# Altium PCB UltraZOhm_CarrierBoard.PcbDoc (part 10 of 12) (continued)
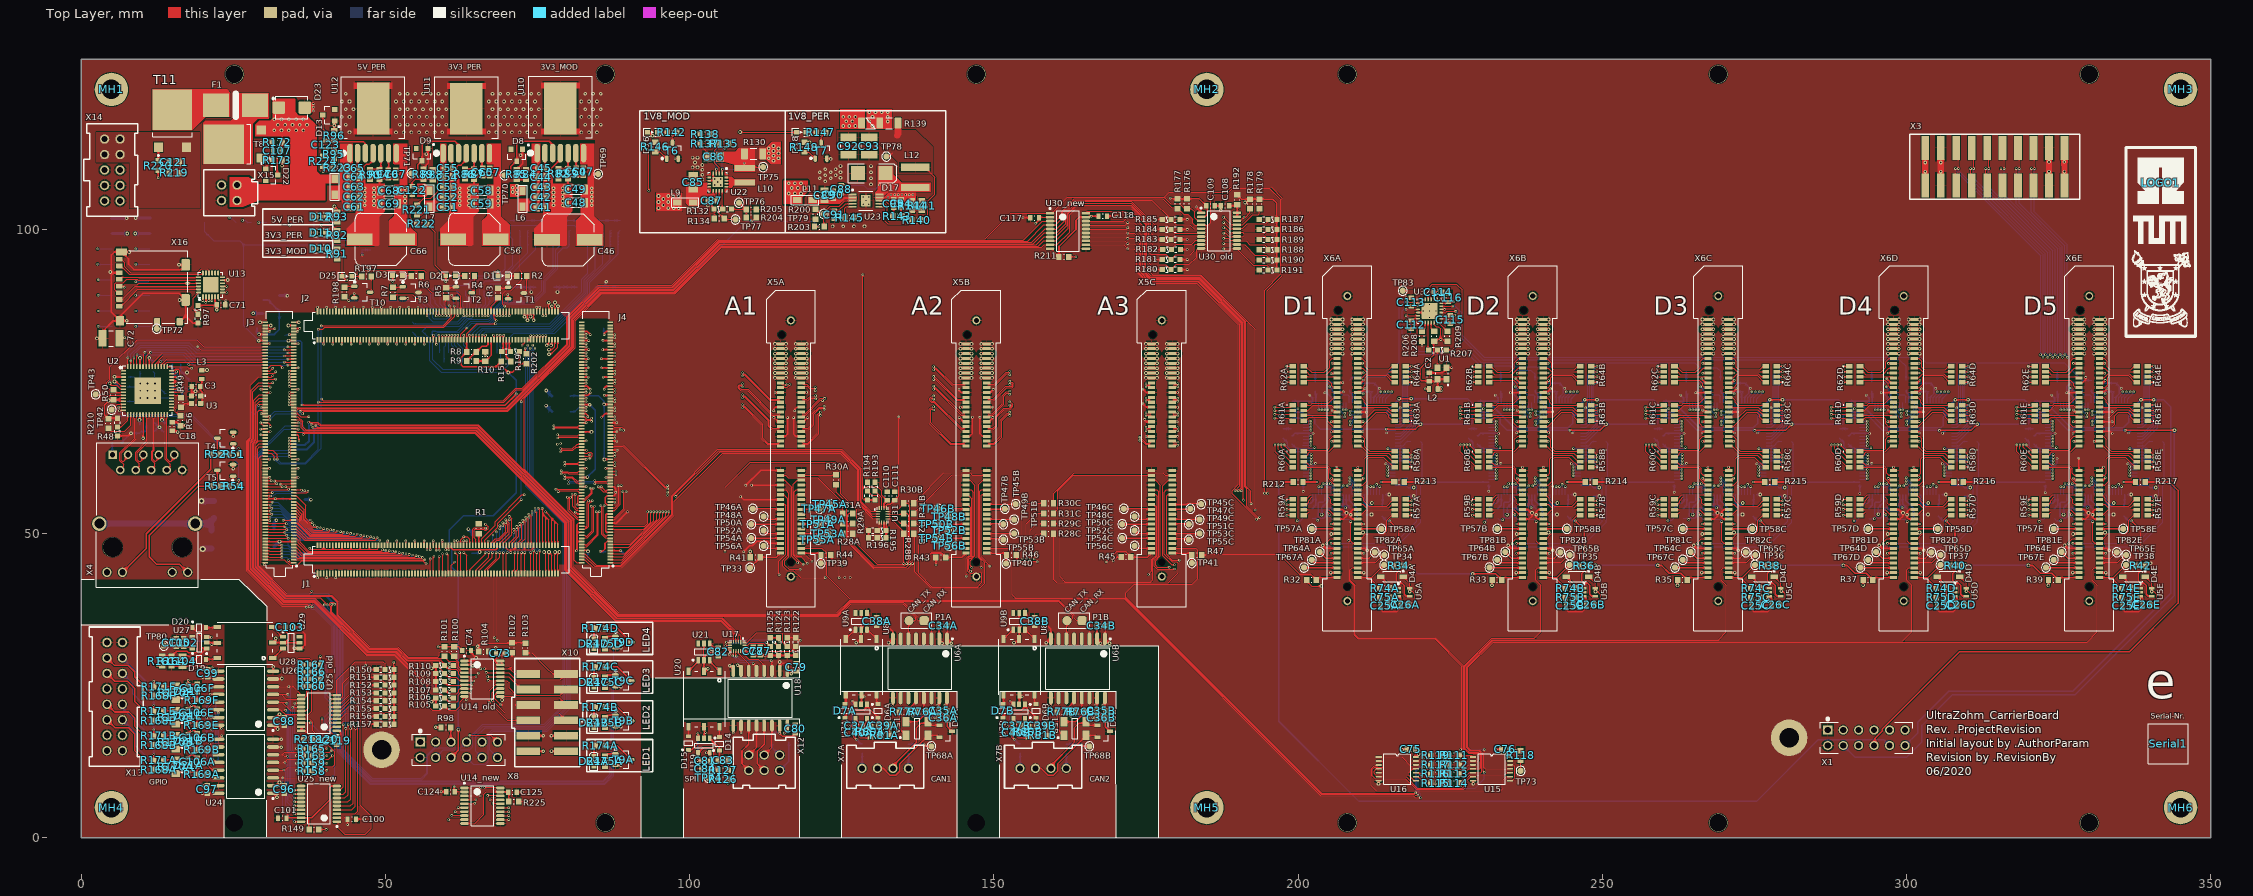
[diagram p0: Top Layer view]
## Nets (pads, with @x,y where several pads share a name; then routed paths per layer and width w, separated by ;. In a path a pad name is that pad's centre, name@x,y a point inside that pad or via, vN(x,y) a via of type N, cw(c..) or ccw(c..) an arc to the next point about the centre after c; other vN are vias at no path point) (continued)
  Bottom Layer w0.1: U4C.55@276.917,67.988 277.798,67.988 278.71,68.9 278.71,75.05 279.46,75.8 v2(279.61,75.8)
NetR64C_3: R64C.3 U4C.54 | length 10.9
  Top Layer w0.1: R64C.3@278.66,76.592 278.668,76.6 v2(279.61,76.6)
  Bottom Layer w0.1: U4C.54@276.917,68.488 277.848,68.488 278.41,69.05 278.41,75.65 279.36,76.6 v2(279.61,76.6)
NetR64C_4: R64C.4 U4C.53 | length 11.2
  Top Layer w0.1: R64C.4@278.66,77.492 278.668,77.5 v2(279.61,77.5)
  Bottom Layer w0.1: U4C.53@276.917,68.988 277.898,68.988 278.11,69.2 278.11,76 v2(279.61,77.5)
NetR64D_1: R64D.1 U4D.56 | length 10
  Top Layer w0.1: R64D.1@309.14,74.892 309.148,74.9 v2(310.09,74.9)
  Bottom Layer w0.1: U4D.56@307.397,67.488 308.278,67.488 309.49,68.7 309.49,74.3 v2(310.09,74.9)
NetR64D_2: R64D.2 U4D.55 | length 10.5
  Top Layer w0.1: R64D.2@309.14,75.792 309.148,75.8 v2(310.09,75.8)
  Bottom Layer w0.1: U4D.55@307.397,67.988 308.278,67.988 309.19,68.9 309.19,75.05 309.94,75.8 v2(310.09,75.8)
NetR64D_3: R64D.3 U4D.54 | length 10.9
  Top Layer w0.1: R64D.3@309.14,76.592 309.148,76.6 v2(310.09,76.6)
  Bottom Layer w0.1: U4D.54@307.397,68.488 308.328,68.488 308.89,69.05 308.89,75.65 309.84,76.6 v2(310.09,76.6)
NetR64D_4: R64D.4 U4D.53 | length 11.2
  Top Layer w0.1: R64D.4@309.14,77.492 309.148,77.5 v2(310.09,77.5)
  Bottom Layer w0.1: U4D.53@307.397,68.988 308.378,68.988 308.59,69.2 308.59,76 v2(310.09,77.5)
NetR64E_1: R64E.1 U4E.56 | length 10
  Top Layer w0.1: R64E.1@339.62,74.892 339.628,74.9 v2(340.57,74.9)
  Bottom Layer w0.1: U4E.56@337.877,67.488 338.758,67.488 339.97,68.7 339.97,74.3 v2(340.57,74.9)
NetR64E_2: R64E.2 U4E.55 | length 10.5
  Top Layer w0.1: R64E.2@339.62,75.792 339.628,75.8 v2(340.57,75.8)
  Bottom Layer w0.1: U4E.55@337.877,67.988 338.758,67.988 339.67,68.9 339.67,75.05 340.42,75.8 v2(340.57,75.8)
NetR64E_3: R64E.3 U4E.54 | length 10.9
  Top Layer w0.1: R64E.3@339.62,76.592 339.628,76.6 v2(340.57,76.6)
  Bottom Layer w0.1: U4E.54@337.877,68.488 338.808,68.488 339.37,69.05 339.37,75.65 340.32,76.6 v2(340.57,76.6)
NetR64E_4: R64E.4 U4E.53 | length 11.2
  Top Layer w0.1: R64E.4@339.62,77.492 339.628,77.5 v2(340.57,77.5)
  Bottom Layer w0.1: U4E.53@337.877,68.988 338.858,68.988 339.07,69.2 339.07,76 v2(340.57,77.5)
NetR65A_1: R65A.1 U4A.100 | length 3.2
  Bottom Layer w0.254: R65A.1@200.787,54.12 201.667,55 202.1,55 202.407,55.307 U4A.100@202.407,56.438
NetR65B_1: R65B.1 U4B.100 | length 3.2
  Bottom Layer w0.254: R65B.1@231.267,54.12 232.147,55 232.58,55 232.887,55.307 U4B.100@232.887,56.438
NetR65C_1: R65C.1 U4C.100 | length 3.2
  Bottom Layer w0.254: R65C.1@261.747,54.12 262.627,55 263.06,55 263.367,55.307 U4C.100@263.367,56.438
NetR65D_1: R65D.1 U4D.100 | length 3.2
  Bottom Layer w0.254: R65D.1@292.227,54.12 293.107,55 293.54,55 293.847,55.307 U4D.100@293.847,56.438
NetR65E_1: R65E.1 U4E.100 | length 3.2
  Bottom Layer w0.254: R65E.1@322.707,54.12 323.587,55 324.02,55 324.327,55.307 U4E.100@324.327,56.438
NetR66A_1: R66A.1 U4A.99 | length 2.6
  Bottom Layer w0.254: R66A.1@202.311,54.12 202.907,54.716 U4A.99@202.907,56.438
NetR66B_1: R66B.1 U4B.99 | length 2.6
  Bottom Layer w0.254: R66B.1@232.791,54.12 233.387,54.716 U4B.99@233.387,56.438
NetR66C_1: R66C.1 U4C.99 | length 2.6
  Bottom Layer w0.254: R66C.1@263.271,54.12 263.867,54.716 U4C.99@263.867,56.438
NetR66D_1: R66D.1 U4D.99 | length 2.6
  Bottom Layer w0.254: R66D.1@293.751,54.12 294.347,54.716 U4D.99@294.347,56.438
NetR66E_1: R66E.1 U4E.99 | length 2.6
  Bottom Layer w0.254: R66E.1@324.231,54.12 324.827,54.716 U4E.99@324.827,56.438
NetR67A_1: R67A.1 TP59A.1 | length 1.3
  Bottom Layer w0.1: TP59A.1@198.869,67.265 TP59A.1@198.895,67.292
  Bottom Layer w0.254: R67A.1@197.568,67.265 TP59A.1@198.869,67.265
NetR67A_2: R67A.2 U4A.12 | length 4.6
  Bottom Layer w0.254: R67A.2@197.568,65.665 198.2,65.033 198.2,64.3 199.012,63.488 U4A.12@200.857,63.488
NetR67B_1: R67B.1 TP59B.1 | length 1.3
  Bottom Layer w0.1: TP59B.1@229.349,67.265 TP59B.1@229.375,67.292
  Bottom Layer w0.254: R67B.1@228.048,67.265 TP59B.1@229.349,67.265
NetR67B_2: R67B.2 U4B.12 | length 4.6
  Bottom Layer w0.254: R67B.2@228.048,65.665 228.68,65.033 228.68,64.3 229.492,63.488 U4B.12@231.337,63.488
NetR67C_1: R67C.1 TP59C.1 | length 1.3
  Bottom Layer w0.1: TP59C.1@259.829,67.265 TP59C.1@259.855,67.292
  Bottom Layer w0.254: R67C.1@258.528,67.265 TP59C.1@259.829,67.265
NetR67C_2: R67C.2 U4C.12 | length 4.6
  Bottom Layer w0.254: R67C.2@258.528,65.665 259.16,65.033 259.16,64.3 259.972,63.488 U4C.12@261.817,63.488
NetR67D_1: R67D.1 TP59D.1 | length 1.3
  Bottom Layer w0.1: TP59D.1@290.309,67.265 TP59D.1@290.335,67.292
  Bottom Layer w0.254: R67D.1@289.008,67.265 TP59D.1@290.309,67.265
NetR67D_2: R67D.2 U4D.12 | length 4.6
  Bottom Layer w0.254: R67D.2@289.008,65.665 289.64,65.033 289.64,64.3 290.452,63.488 U4D.12@292.297,63.488
NetR67E_1: R67E.1 TP59E.1 | length 1.3
  Bottom Layer w0.1: TP59E.1@320.789,67.265 TP59E.1@320.815,67.292
  Bottom Layer w0.254: R67E.1@319.488,67.265 TP59E.1@320.789,67.265
NetR67E_2: R67E.2 U4E.12 | length 4.6
  Bottom Layer w0.254: R67E.2@319.488,65.665 320.12,65.033 320.12,64.3 320.932,63.488 U4E.12@322.777,63.488
NetR68A_1: R68A.1 TP60A.1 | length 1.7
  Bottom Layer w0.254: R68A.1@197.331,68.814 197.345,68.827 TP60A.1@197.345,70.544
NetR68A_2: R68A.2 U4A.23 | length 2
  Bottom Layer w0.254: R68A.2@198.931,68.814 199.105,68.988 U4A.23@200.857,68.988
NetR68B_1: R68B.1 TP60B.1 | length 1.7
  Bottom Layer w0.254: R68B.1@227.811,68.814 227.825,68.827 TP60B.1@227.825,70.544
NetR68B_2: R68B.2 U4B.23 | length 2
  Bottom Layer w0.254: R68B.2@229.411,68.814 229.585,68.988 U4B.23@231.337,68.988
NetR68C_1: R68C.1 TP60C.1 | length 1.7
  Bottom Layer w0.254: R68C.1@258.291,68.814 258.305,68.827 TP60C.1@258.305,70.544
NetR68C_2: R68C.2 U4C.23 | length 2
  Bottom Layer w0.254: R68C.2@259.891,68.814 260.065,68.988 U4C.23@261.817,68.988
NetR68D_1: R68D.1 TP60D.1 | length 1.7
  Bottom Layer w0.254: R68D.1@288.771,68.814 288.785,68.827 TP60D.1@288.785,70.544
NetR68D_2: R68D.2 U4D.23 | length 2
  Bottom Layer w0.254: R68D.2@290.371,68.814 290.545,68.988 U4D.23@292.297,68.988
NetR68E_1: R68E.1 TP60E.1 | length 1.7
  Bottom Layer w0.254: R68E.1@319.251,68.814 319.265,68.827 TP60E.1@319.265,70.544
NetR68E_2: R68E.2 U4E.23 | length 2
  Bottom Layer w0.254: R68E.2@320.851,68.814 321.025,68.988 U4E.23@322.777,68.988
NetR69A_1: R69A.1 TP61A.1 | length 1.6
  Bottom Layer w0.254: R69A.1@202.819,75.002 TP61A.1@202.819,76.596
NetR69A_2: R69A.2 U4A.27 | length 1.9
  Bottom Layer w0.254: R69A.2@202.819,73.402 202.819,73.081 202.9,73 202.9,71.544 U4A.27@202.907,71.538
NetR69B_1: R69B.1 TP61B.1 | length 1.6
  Bottom Layer w0.254: R69B.1@233.299,75.002 TP61B.1@233.299,76.596
NetR69B_2: R69B.2 U4B.27 | length 1.9
  Bottom Layer w0.254: R69B.2@233.299,73.402 233.299,73.081 233.38,73 233.38,71.544 U4B.27@233.387,71.538
NetR69C_1: R69C.1 TP61C.1 | length 1.6
  Bottom Layer w0.254: R69C.1@263.779,75.002 TP61C.1@263.779,76.596
NetR69C_2: R69C.2 U4C.27 | length 1.9
  Bottom Layer w0.254: R69C.2@263.779,73.402 263.779,73.081 263.86,73 263.86,71.544 U4C.27@263.867,71.538
NetR69D_1: R69D.1 TP61D.1 | length 1.6
  Bottom Layer w0.254: R69D.1@294.259,75.002 TP61D.1@294.259,76.596
NetR69D_2: R69D.2 U4D.27 | length 1.9
  Bottom Layer w0.254: R69D.2@294.259,73.402 294.259,73.081 294.34,73 294.34,71.544 U4D.27@294.347,71.538
NetR69E_1: R69E.1 TP61E.1 | length 1.6
  Bottom Layer w0.254: R69E.1@324.739,75.002 TP61E.1@324.739,76.596
NetR69E_2: R69E.2 U4E.27 | length 1.9
  Bottom Layer w0.254: R69E.2@324.739,73.402 324.739,73.081 324.82,73 324.82,71.544 U4E.27@324.827,71.538
NetR70A_2: R70A.2 U4A.62 | length 2.8
  Bottom Layer w0.1: U4A.62@215.957,64.488 217.238,64.488 217.908,65.158 R70A.2@218.475,65.158
NetR70B_2: R70B.2 U4B.62 | length 2.8
  Bottom Layer w0.1: U4B.62@246.437,64.488 247.718,64.488 248.388,65.158 R70B.2@248.955,65.158
NetR70C_2: R70C.2 U4C.62 | length 2.8
  Bottom Layer w0.1: U4C.62@276.917,64.488 278.198,64.488 278.868,65.158 R70C.2@279.435,65.158
NetR70D_2: R70D.2 U4D.62 | length 2.8
  Bottom Layer w0.1: U4D.62@307.397,64.488 308.678,64.488 309.348,65.158 R70D.2@309.915,65.158
NetR70E_2: R70E.2 U4E.62 | length 2.8
  Bottom Layer w0.1: U4E.62@337.877,64.488 339.158,64.488 339.828,65.157 R70E.2@340.395,65.158
NetR71A_2: R71A.2 U4A.39 | length 2.3
  Bottom Layer w0.254: R71A.2@208.453,73.602 208.453,73.347 208.907,72.893 U4A.39@208.907,71.538
NetR71B_2: R71B.2 U4B.39 | length 2.3
  Bottom Layer w0.254: R71B.2@238.933,73.602 238.933,73.347 239.387,72.893 U4B.39@239.387,71.538
NetR71C_2: R71C.2 U4C.39 | length 2.3
  Bottom Layer w0.254: R71C.2@269.413,73.602 269.413,73.347 269.867,72.893 U4C.39@269.867,71.538
NetR71D_2: R71D.2 U4D.39 | length 2.3
  Bottom Layer w0.254: R71D.2@299.893,73.602 299.893,73.347 300.347,72.893 U4D.39@300.347,71.538
NetR71E_2: R71E.2 U4E.39 | length 2.3
  Bottom Layer w0.254: R71E.2@330.373,73.602 330.373,73.347 330.827,72.893 U4E.39@330.827,71.538
NetR72A_2: R72A.2 U4A.73 | length 2
  Bottom Layer w0.1: U4A.73@215.957,58.988 R72A.2@217.755,58.988
  Bottom Layer w0.254: R72A.2@217.755,58.988 R72A.2@217.929,59.162
NetR72B_2: R72B.2 U4B.73 | length 2
  Bottom Layer w0.1: U4B.73@246.437,58.988 R72B.2@248.235,58.988
  Bottom Layer w0.254: R72B.2@248.235,58.988 R72B.2@248.409,59.162
NetR72C_2: R72C.2 U4C.73 | length 2
  Bottom Layer w0.1: U4C.73@276.917,58.988 R72C.2@278.715,58.988
  Bottom Layer w0.254: R72C.2@278.715,58.988 R72C.2@278.889,59.162
NetR72D_2: R72D.2 U4D.73 | length 2
  Bottom Layer w0.1: U4D.73@307.397,58.988 R72D.2@309.195,58.988
  Bottom Layer w0.254: R72D.2@309.195,58.988 R72D.2@309.369,59.162
NetR72E_2: R72E.2 U4E.73 | length 2
  Bottom Layer w0.1: U4E.73@337.877,58.988 R72E.2@339.675,58.988
  Bottom Layer w0.254: R72E.2@339.675,58.988 R72E.2@339.849,59.162
NetR73A_2: R73A.2 U4A.77 | length 2
  Bottom Layer w0.254: R73A.2@213.791,54.47 213.791,54.891 213.9,55 213.9,56.431 U4A.77@213.907,56.438
NetR73B_2: R73B.2 U4B.77 | length 2
  Bottom Layer w0.254: R73B.2@244.271,54.47 244.271,54.891 244.38,55 244.38,56.431 U4B.77@244.387,56.438
NetR73C_2: R73C.2 U4C.77 | length 2
  Bottom Layer w0.254: R73C.2@274.751,54.47 274.751,54.891 274.86,55 274.86,56.431 U4C.77@274.867,56.438
NetR73D_2: R73D.2 U4D.77 | length 2
  Bottom Layer w0.254: R73D.2@305.231,54.47 305.231,54.891 305.34,55 305.34,56.431 U4D.77@305.347,56.438
NetR73E_2: R73E.2 U4E.77 | length 2
  Bottom Layer w0.254: R73E.2@335.711,54.47 335.711,54.891 335.82,55 335.82,56.431 U4E.77@335.827,56.438
NetR78A_2: R78A.2 X7A.1 | length 2.4
  Bottom Layer w0.254: X7A.1@135.953,11.443 135.975,11.464 R78A.2@135.975,13.837
NetR78B_2: R78B.2 X7B.1 | length 2.4
  Bottom Layer w0.254: X7B.1@161.906,11.443 161.927,11.465 R78B.2@161.927,13.837
NetR79A_2: R79A.2 X7A.4 | length 2.5
  Bottom Layer w0.254: X7A.4@128.333,11.443 128.355,11.464 R79A.2@128.355,13.887
NetR79B_2: R79B.2 X7B.4 | length 2.5
  Bottom Layer w0.254: X7B.4@154.286,11.443 154.307,11.465 R79B.2@154.307,13.888
NetR80A_1: R80A.1 R81A.2 U7A.4 | length 6.8
  Top Layer w0.254: U7A.4@127.252,19.558 127.787,19.023 127.787,16.688 128.041,16.434 129.47,16.434 R80A.1@129.707,16.671 129.897,16.861 R81A.2@131.19,16.861
NetR80B_1: R80B.1 R81B.2 U7B.4 | length 6.8
  Top Layer w0.254: U7B.4@153.205,19.558 153.74,19.023 153.74,16.688 153.994,16.434 155.422,16.434 R80B.1@155.659,16.671 155.849,16.861 R81B.2@157.142,16.861
NetR82_1: R82.1 R83.2 U10.5 | length 4.1
  Top Layer w0.254: R82.1@78.459,109.944 78.471,109.956 R83.2@79.988,109.956 80.039,110.007 U10.5@80.039,112.549
NetR86_1: R86.1 R87.2 U11.5 | length 4.2
  Top Layer w0.254: R86.1@63.081,109.895 64.571,109.895 R87.2@64.585,109.881 U11.5@64.585,112.525
NetR88_1: R88.1 R221.1 R222.1 | length 12.2
  Top Layer w0.2: R222.1@55.2,100.9 55.2,100.95 54.85,101.3 54.7,101.3 54.1,101.9 54.1,102.9 54.8,103.6 54.8,103.65 55.15,104 R221.1@55.2,104 55.25,104 55.6,104.35 55.6,104.4 56.3,105.1 57.5,105.1 58.6,106.2 58.6,109 58.2,109.4 58.2,109.45 58.004,109.646 R88.1@57.983,109.646
NetR90_1: R90.1 R94.2 U12.5 | length 4.4
  Top Layer w0.254: R90.1@47.485,109.813 49.035,109.813 R94.2@49.047,109.825 49.259,110.037 U12.5@49.259,112.537
NetR95_1: R95.1 R223.1 R224.1 | length 3.3
  Top Layer w0.2: R224.1@39.8,112 40.5,112 40.9,111.6 41.176,111.6 R95.1@41.332,111.756 ; R223.1@41.4,110.1 41.4,111.362 R95.1@41.563,111.525
NetR98_1: R98.1 X8.5 | length 2.4
  Top Layer w0.254: R98.1@60.749,18.177 60.749,15.833 X8.5@60.816,15.767
NetR99_2: R99.2 X9.15 | length 10.4
  Bottom Layer w0.1: X9.15@38.1,101.155 38.304,100.951 38.304,99.096 39.14,98.26 R99.2@46.238,98.26
NetR118_2: R118.2 TP73.1 U15.13 | length 3.5
  Top Layer w0.1: U15.13@234.841,12.663 236.457,12.663 R118.2@236.561,12.767 TP73.1@236.561,11.027
NetR120_2: R120.2 X12.1 | length 5.3
  Bottom Layer w0.254: X12.1@114.806,11.077 116.33,12.601 R120.2@116.33,15.738
NetR121_1: R121.1 X12.4 | length 2.6
  Bottom Layer w0.254: R121.1@113.536,15.738 113.536,14.887 X12.4@114.806,13.617
NetR122_2: R122.2 U17.15 | length 9.9
  Top Layer w0.2: U17.15@108.996,31.673 109.55,31.673 109.906,32.029 112.116,32.029 112.446,31.698 112.446,30.86 112.598,30.708 116.708,30.708 R122.2@117.448,31.447
NetR123_2: R123.2 U17.16 | length 9.5
  Top Layer w0.2: U17.16@108.996,32.073 109.366,32.073 111.023,33.73 115.138,33.73 115.341,33.527 115.341,32.157 R123.2@116.051,31.447
NetR124_2: R124.2 U17.5 | length 9.9
  Top Layer w0.2: v2(106.045,32.156) 106.128,32.073 U17.5@106.646,32.073 ; v2(114.021,32.105) 114.021,32.055 R124.2@114.628,31.447
  Bottom Layer w0.2: v2(106.045,32.156) 106.197,32.156 106.578,32.537 113.589,32.537 v2(114.021,32.105)
NetR125_2: R125.2 U17.6 | length 8.7
  Top Layer w0.2: v2(105.9,31.6) 105.973,31.673 U17.6@106.646,31.673 ; v2(112.674,32.105) 113.257,31.523 R125.2@113.257,31.447
  Bottom Layer w0.2: v2(105.9,31.6) 106.658,31.6 107.163,32.105 v2(112.674,32.105)
NetR126_1: R126.1 R127.2 U19.4 | length 8.3
  Top Layer w0.254: U19.4@101.41,14.017 102.226,14.833 103.734,14.833 103.937,14.63 103.937,11.951 R127.2@104.735,11.153 R126.1@104.735,9.629
NetR132_1: R132.1 R204.2 R205.2 TP76.1 | length 5.3
  Top Layer w0.2: R132.1@106.912,103.337 R205.2@109.255,103.337 ; TP76.1@108.112,104.386 108.206,104.386 R205.2@109.255,103.337 ; R204.2@109.324,101.994 R205.2@109.324,103.268 R205.2@109.255,103.337
NetR132_2: R132.2 U22.12 | length 3.1
  Top Layer w0.2: U22.12@105.373,106.382 105.373,103.426 R132.2@105.462,103.337
NetR134_1: R134.1 TP77.1 U22.11 | length 7
  Top Layer w0.2: U22.11@104.873,106.382 104.873,105.427 105,105.3 105,104.1 104.8,103.9 104.8,102.7 105.677,101.823 R134.1@105.677,101.813 105.855,101.636 TP77.1@107.544,101.636
NetR135_1: R135.1 R137.2 U22.2 | length 7.1
  Top Layer w0.2: R137.2@103.366,114.107 R135.1@104.865,114.107 104.865,113.765 104.1,113 104.1,110.9 104.873,110.127 U22.2@104.873,109.182
NetR138_1: R138.1 U22.3 | length 7.2
  Top Layer w0.2: R138.1@103.366,115.656 103.844,115.656 v2(104.4,115.1) ; U22.3@104.373,109.182 104.373,109.873 v2(104.4,109.9)
  Bottom Layer w0.2: v2(104.4,109.9) v2(104.4,115.1)
NetR140_2: R140.2 U23.6 | length 8
  Top Layer w0.2: U23.6@131.207,103.734 131.866,103.734 132,103.6 132,101.5 132.6,100.9 135.905,100.9 R140.2@136.539,101.534
NetR141_2: R141.2 R144.1 U23.7 | length 10.7
  Top Layer w0.2: U23.7@131.207,104.234 132.066,104.234 132.5,103.8 132.5,101.6 132.8,101.3 135.6,101.3 135.8,101.5 135.8,102.37 R144.1@136.551,103.122 R141.2@138.151,103.122
NetR142_2: R142.2 T6.3 | length 2
  Top Layer w0.2: T6.3@97.181,114.213 97.181,115.212 R142.2@97.905,115.936
NetR145_1: R145.1 U23.5 | length 2.9
  Top Layer w0.2: R145.1@125.49,101.94 125.49,103.49 125.734,103.734 U23.5@126.757,103.734
NetR146_2: R146.2 T6.1 | length 2.3
  Top Layer w0.2: R146.2@94.362,112.748 95.096,112.748 T6.1@96.231,111.613
NetR147_2: R147.2 T7.3 | length 2
  Top Layer w0.2: T7.3@121.616,114.239 121.616,115.161 R147.2@122.391,115.936
NetR148_2: R148.2 T7.1 | length 2.2
  Top Layer w0.2: R148.2@118.873,112.723 119.582,112.723 T7.1@120.666,111.639
NetR161_1: R161.1 R164.2 U27.4 | length 9.1
  Top Layer w0.254: R161.1@13.35,29.862 R164.2@14.874,29.862 14.887,29.862 15.725,30.7 17.425,30.7 17.675,30.45 18.925,30.45 19.1,30.625 19.1,32.206 U27.4@18.246,33.06
NetR168A_2: R168A.2 R170A.2 R171A.1 | length 3.6
  Top Layer w0.254: R168A.2@13.56,11.226 R171A.1@13.56,12.75 13.644,12.834 R170A.2@15.554,12.834
NetR168B_2: R168B.2 R170B.2 R171B.1 | length 3.6
  Top Layer w0.254: R168B.2@13.555,15.24 R171B.1@13.555,16.764 13.639,16.848 R170B.2@15.549,16.848
NetR168C_2: R168C.2 R170C.2 R171C.1 | length 3.6
  Bottom Layer w0.254: R168C.2@13.555,12.138 R171C.1@13.555,10.614 13.639,10.53 R170C.2@15.549,10.53
NetR168D_2: R168D.2 R170D.2 R171D.1 | length 3.6
  Bottom Layer w0.254: R168D.2@13.555,16.202 R171D.1@13.555,14.678 13.639,14.594 R170D.2@15.549,14.594
NetR168E_2: R168E.2 R170E.2 R171E.1 | length 3.6
  Top Layer w0.254: R168E.2@13.555,19.304 R171E.1@13.555,20.828 13.639,20.912 R170E.2@15.549,20.912
NetR168F_2: R168F.2 R170F.2 R171F.1 | length 3.6
  Top Layer w0.254: R168F.2@13.555,23.368 R171F.1@13.555,24.892 15.465,24.892 R170F.2@15.549,24.976
NetR168G_2: R168G.2 R170G.2 R171G.1 | length 3.6
  Bottom Layer w0.254: R168G.2@13.555,20.266 R171G.1@13.555,18.742 13.639,18.658 R170G.2@15.549,18.658
NetR168H_2: R168H.2 R170H.2 R171H.1 | length 3.6
  Bottom Layer w0.254: R168H.2@13.555,24.33 R171H.1@13.555,22.806 15.465,22.806 R170H.2@15.549,22.722
NetR174A_2: R174A.2 T9A.3 | length 5.3
  Top Layer w0.254: R174A.2@86.105,15.165 88.129,15.165 T9A.3@90.415,12.879
NetR174B_2: R174B.2 T9B.3 | length 5.3
  Top Layer w0.254: R174B.2@86.105,21.515 88.129,21.515 T9B.3@90.415,19.229
NetR174C_2: R174C.2 T9C.3 | length 5.3
  Top Layer w0.254: R174C.2@86.105,28.119 88.129,28.119 T9C.3@90.415,25.833
NetR174D_2: R174D.2 T9D.3 | length 5.3
  Top Layer w0.254: R174D.2@86.105,34.469 88.129,34.469 T9D.3@90.415,32.183
NetR175A_2: R175A.2 T9A.1 | length 1.9
  Top Layer w0.254: R175A.2@86.067,13.425 86.471,13.829 T9A.1@87.815,13.829
NetR175B_2: R175B.2 T9B.1 | length 1.9
  Top Layer w0.254: R175B.2@86.067,19.775 86.471,20.179 T9B.1@87.815,20.179
NetR175C_2: R175C.2 T9C.1 | length 1.9
  Top Layer w0.254: R175C.2@86.067,26.379 86.471,26.783 T9C.1@87.815,26.783
NetR175D_2: R175D.2 T9D.1 | length 1.9
  Top Layer w0.254: R175D.2@86.067,32.729 86.471,33.133 T9D.1@87.815,33.133
NetR197_1: R197.1 T10.3 | length 2.7
  Top Layer w0.2: T10.3@47.499,89.7 47.7,89.901 R197.1@47.7,92.299
NetR198_2: R198.2 T10.1 | length 1.7
  Top Layer w0.2: R198.2@43.299,90.5 43.449,90.65 T10.1@44.899,90.65
NetR200_2: R200.2 R203.2 TP79.1 U23.3 | length 9.5
  Top Layer w0.2: R200.2@120.699,103.3 121.449,102.55 TP79.1@122.048,102.55 ; R203.2@122.126,100.457 122.048,100.535 TP79.1@122.048,102.55 ; U23.3@126.757,104.734 125.534,104.734 124.6,103.8 123.1,103.8 122.048,102.748 TP79.1@122.048,102.55
NetR206_2: R206.2 U32.20 | length 1.7
  Top Layer w0.2: R206.2@220.346,83.251 220.854,83.759 U32.20@220.854,84.699
NetR207_2: R207.2 U1.3 | length 2.9
  Top Layer w0.2: U1.3@222.894,77.279 222.894,80.198 R207.2@222.901,80.205
NetR207_3: R207.3 U32.9 | length 19.5
  Top Layer w0.2: U32.9@221.854,88.499 221.854,88.821 221.7,88.975 221.7,90.65 222.05,91 226,91 226.95,90.05 226.95,81.85 225.305,80.205 R207.3@224.351,80.205
NetR208_2: R208.2 U32.22 | length 1.7
  Top Layer w0.2: U32.22@221.854,84.699 221.854,83.768 R208.2@222.37,83.251
NetR209_2: R209.2 U32.24 | length 2.3
  Top Layer w0.2: U32.24@222.854,84.699 223.072,84.699 R209.2@224.519,83.251
NetR212_1: R212.1 X1.10 | length 151.8
  Top Layer w0.254: v1(196.8,57.8) 197.5,58.5 R212.1@199.2,58.5
  Bottom Layer w0.254: v1(196.8,57.8) 196.8,19.2 210,6 275.3,6 285.476,16.176 296.215,16.176 X1.10@297.192,15.199
NetR217_2: R217.2 X1.8 | length 84.9
  Top Layer w0.254: X1.8@294.652,15.199 294.8,15.346 294.8,16.375 295.95,17.525 295.95,17.878 308.672,30.6 336.6,30.6 344.6,38.6 344.6,57.1 343.2,58.5 R217.2@339.2,58.5
NetTP62A_1: TP62A.1 U4A.38 | length 3.7
  Bottom Layer w0.1: TP62A.1@206.925,74.042 206.925,73.075 207.15,72.85 208.15,72.85 208.407,72.593 U4A.38@208.407,71.538
NetTP62B_1: TP62B.1 U4B.38 | length 3.7
  Bottom Layer w0.1: TP62B.1@237.405,74.042 237.405,73.075 237.63,72.85 238.63,72.85 238.887,72.593 U4B.38@238.887,71.538
NetTP62C_1: TP62C.1 U4C.38 | length 3.7
  Bottom Layer w0.1: TP62C.1@267.885,74.042 267.885,73.075 268.11,72.85 269.11,72.85 269.367,72.593 U4C.38@269.367,71.538
NetTP62D_1: TP62D.1 U4D.38 | length 3.7
  Bottom Layer w0.1: TP62D.1@298.365,74.042 298.365,73.075 298.59,72.85 299.59,72.85 299.847,72.593 U4D.38@299.847,71.538
NetTP62E_1: TP62E.1 U4E.38 | length 3.7
  Bottom Layer w0.1: TP62E.1@328.845,74.042 328.845,73.075 329.07,72.85 330.07,72.85 330.327,72.593 U4E.38@330.327,71.538
NetTP63A_1: TP63A.1 U4A.88 | length 4.4
  Bottom Layer w0.254: U4A.88@208.407,56.438 208.407,55.443 209.677,54.173 TP63A.1@209.677,52.558
NetTP63B_1: TP63B.1 U4B.88 | length 4.4
  Bottom Layer w0.254: U4B.88@238.887,56.438 238.887,55.443 240.157,54.173 TP63B.1@240.157,52.558
NetTP63C_1: TP63C.1 U4C.88 | length 4.4
  Bottom Layer w0.254: U4C.88@269.367,56.438 269.367,55.443 270.637,54.173 TP63C.1@270.637,52.558
NetTP63D_1: TP63D.1 U4D.88 | length 4.4
  Bottom Layer w0.254: U4D.88@299.847,56.438 299.847,55.443 301.117,54.173 TP63D.1@301.117,52.558
NetTP63E_1: TP63E.1 U4E.88 | length 4.4
  Bottom Layer w0.254: U4E.88@330.327,56.438 330.327,55.443 331.597,54.173 TP63E.1@331.597,52.558
NetTP66A_1: TP66A.1 U4A.89 | length 2.7
  Bottom Layer w0.254: U4A.89@207.907,56.438 207.907,54.836 TP66A.1@208.661,54.082
NetTP66B_1: TP66B.1 U4B.89 | length 2.7
  Bottom Layer w0.254: U4B.89@238.387,56.438 238.387,54.836 TP66B.1@239.141,54.082
NetTP66C_1: TP66C.1 U4C.89 | length 2.7
  Bottom Layer w0.254: U4C.89@268.867,56.438 268.867,54.836 TP66C.1@269.621,54.082
NetTP66D_1: TP66D.1 U4D.89 | length 2.7
  Bottom Layer w0.254: U4D.89@299.347,56.438 299.347,54.836 TP66D.1@300.101,54.082
NetTP66E_1: TP66E.1 U4E.89 | length 2.7
  Bottom Layer w0.254: U4E.89@329.827,56.438 329.827,54.835 TP66E.1@330.581,54.082
NetTP83_1: TP83.1 U32.10 | length 5.1
  Top Layer w0.2: TP83.1@217.18,89.923 220.452,89.923 221.354,89.021 U32.10@221.354,88.499
NetU8A_1: U8A.1 U9A.3 | length 2.2
  Top Layer w0.254: U9A.3@129.152,34.217 129.222,34.217 U8A.1@130.742,32.696
NetU8A_3: U8A.3 U9A.1 | length 2.2
  Top Layer w0.254: U8A.3@125.662,32.696 127.183,34.217 U9A.1@127.252,34.217
NetU8B_1: U8B.1 U9B.3 | length 2.2
  Top Layer w0.254: U9B.3@155.105,34.217 155.174,34.217 U8B.1@156.695,32.696
NetU8B_3: U8B.3 U9B.1 | length 2.2
  Top Layer w0.254: U8B.3@151.615,32.696 153.135,34.217 U9B.1@153.205,34.217
NetU15_3: U15.3 U16.1 | length 16.6
  Top Layer w0.1: U16.1@213.247,13.313 216.987,13.313 218.6,11.7 220.1,11.7 220.5,11.3 227.3,11.3 228.013,12.013 U15.3@228.741,12.013
NetU15_6: U15.6 U16.2 | length 23.4
  Top Layer w0.1: U16.2@213.247,12.663 213.737,12.663 214,12.4 214,11.8 213.863,11.663 212.563,11.663 212.2,11.3 212.2,10.2 212.637,9.763 217.637,9.763 219.4,8 227.2,8 227.6,8.4 227.6,9.3 228.363,10.063 U15.6@228.741,10.063
NetU15_8: U15.8 U15.12 | length 3.8
  Top Layer w0.1: U15.8@234.841,9.413 235.213,9.413 235.6,9.8 235.6,11.8 235.387,12.013 U15.12@234.841,12.013
NetU15_9: U15.9 U16.3 | length 29.2
  Top Layer w0.1: U16.3@213.247,12.013 213.097,11.863 212.48,11.863 212,11.383 212,8.6 212.8,7.8 233.3,7.8 233.7,8.2 233.7,9.6 234.163,10.063 U15.9@234.841,10.063
NetU15_10: U15.10 U16.6 | length 23.9
  Top Layer w0.1: U16.6@213.247,10.063 217.737,10.063 219.6,8.2 227,8.2 227.2,8.4 227.2,9.3 228.263,10.363 233.963,10.363 234.313,10.713 U15.10@234.841,10.713
NetU16_4: U16.4 U16.8 | length 8.6
  Top Layer w0.1: U16.4@213.247,11.363 212.863,11.363 212.5,11 212.5,10.6 212.7,10.4 218.1,10.4 219.087,9.413 U16.8@219.347,9.413
NetU16_5: U16.5 U16.11 | length 6.4
  Top Layer w0.1: U16.5@213.247,10.713 218.213,10.713 218.863,11.363 U16.11@219.347,11.363
NetU20_1: U20.1 U21.3 | length 2.5
  Top Layer w0.254: U21.3@103.31,29.209 103.31,28.999 U20.1@104.9,27.409
NetU20_3: U20.3 U21.1 | length 2.5
  Top Layer w0.254: U20.3@99.82,27.409 101.41,28.999 U21.1@101.41,29.209
NetU28_1: U28.1 U29.3 | length 2.3
  Top Layer w0.254: U28.1@31.509,29.551 31.592,29.551 U29.3@33.182,31.141
NetU28_3: U28.3 U29.1 | length 2.3
  Top Layer w0.254: U28.3@31.509,34.631 33.099,33.041 U29.1@33.182,33.041
PCI_RX_N: J2.70
PCI_RX_P: J2.72
PCI_TX_N: J2.67
PCI_TX_P: J2.69
PG_DDR: J2.114 TP16.1 | length 5.4
  Top Layer w0.1: J2.114@66.872,86.521 66.872,85.828 v2(66.9,85.8)
  Bottom Layer w0.1: v2(66.9,85.8) 66.9,86.7 68,87.8 68,88.8 67.736,89.064 TP16.1@67.736,89.898
PG_FPD: J2.110 TP14.1 | length 5.2
  Top Layer w0.1: J2.110@65.872,86.521 65.9,86.493 v2(65.9,85.8)
  Bottom Layer w0.1: v2(65.9,85.8) 66,85.9 66,87.2 66.5,87.7 66.5,88.8 66.26,89.04 TP14.1@66.26,89.898
PG_GT_L: J2.97 TP23.1 | length 3.9
  Top Layer w0.1: J2.97@62.872,81.851 62.9,81.879 v2(62.9,82.6)
  Bottom Layer w0.1: v2(62.9,82.6) 62.9,81 63.434,80.466 TP23.1@63.434,79.698
PG_GT_R: J2.91 TP21.1 | length 3.9
  Top Layer w0.1: J2.91@61.372,81.851 61.4,81.879 v2(61.4,82.6)
  Bottom Layer w0.1: v2(61.4,82.6) 61.4,81 61.924,80.476 TP21.1@61.924,79.698
PG_MODULE: J2.104 R16.1 R203.1 R204.1 | length 94.4
  Top Layer w0.1: J2.104@64.372,86.521 64.4,86.493 v2(64.4,85.8) ; v1(110.2,101.375) 110.305,101.375 R204.1@110.924,101.994 ; R203.1@120.526,100.457 120.533,100.45 v1(121.25,100.45)
  Bottom Layer w0.1: v2(64.4,85.8) 64.4,85.6 64.2,85.4 63.5,85.4 62.2,84.1 56.919,84.1 R16.1@56.108,83.289 57.8,81.597 57.8,78.6 59.4,77 69.5,77 70.2,77.7 70.2,82 71.131,82.931 77.831,82.931 84.5,89.6 97.5,89.6 109.275,101.375 v1(110.2,101.375) 120.325,101.375 v1(121.25,100.45)
PG_PLL_1V8: J2.80 TP1.1 | length 3.9
  Top Layer w0.1: J2.80@58.372,86.521 58.4,86.493 v2(58.4,85.8)
  Bottom Layer w0.1: TP1.1@56.704,88.298 56.704,87.996 58.4,86.3 v2(58.4,85.8)
PG_PSGT: J2.82 TP2.1 | length 5.4
  Top Layer w0.1: J2.82@58.872,86.521 58.9,86.493 v2(58.9,85.8)
  Bottom Layer w0.1: TP2.1@57.17,89.798 57.5,89.468 57.5,87.7 58.9,86.3 v2(58.9,85.8)
PHY_LED0: R51.1 U2.14 | length 23.9
  Top Layer w0.15: v2(6.3,70.2) 6.355,70.255 U2.14@6.995,70.255 ; v1(25.9,64) 25.958,63.942 R51.1@25.958,63.044
  Bottom Layer w0.15: v2(6.3,70.2) 6.9,69.6 18.1,69.6 23.7,64 v1(25.9,64)
PHY_LED1: R54.1 U2.13 | length 29
  Top Layer w0.15: v2(6.2,70.8) 6.245,70.755 U2.13@6.995,70.755 ; v1(25.9,58.8) 25.96,58.74 R54.1@25.96,57.82
  Bottom Layer w0.15: v2(6.2,70.8) 5.8,70.4 5.8,70 6.5,69.3 18,69.3 25.9,61.4 v1(25.9,58.8)
PHY_LED2: TP42.1 U2.12 | length 2.3
  Top Layer w0.15: TP42.1@5.036,70.377 5.914,71.255 U2.12@6.995,71.255
PHY_MDI0_N: U2.27 X4.8 | length 10.7
  Top Layer w0.1: U2.27@13.685,69.565 13.685,69.095 13.825,68.955 13.825,62.263 14.7,61.389 14.7,61.1 X4.8@14.066,60.467 14.689,61.089
PHY_MDI0_P: U2.28 X4.9 | length 9.5
  Top Layer w0.1: U2.28@14.185,69.565 14.185,69.095 14.045,68.955 14.045,62.355 14.5,61.9 14.8,61.9 15.336,62.436 X4.9@15.336,63.007